# Altium PCB Bed.PcbDoc
Units mil, origin at the board's own origin, x right, y up, seen from the top; angles counter-clockwise.
Board outline 3543.31 x 2677.17 mil, 2 copper layers (Top Layer, Bottom Layer); 62 components, 55 nets, 294 pads, 642 vias.
Unrouted connection lines stored in the file: 31.
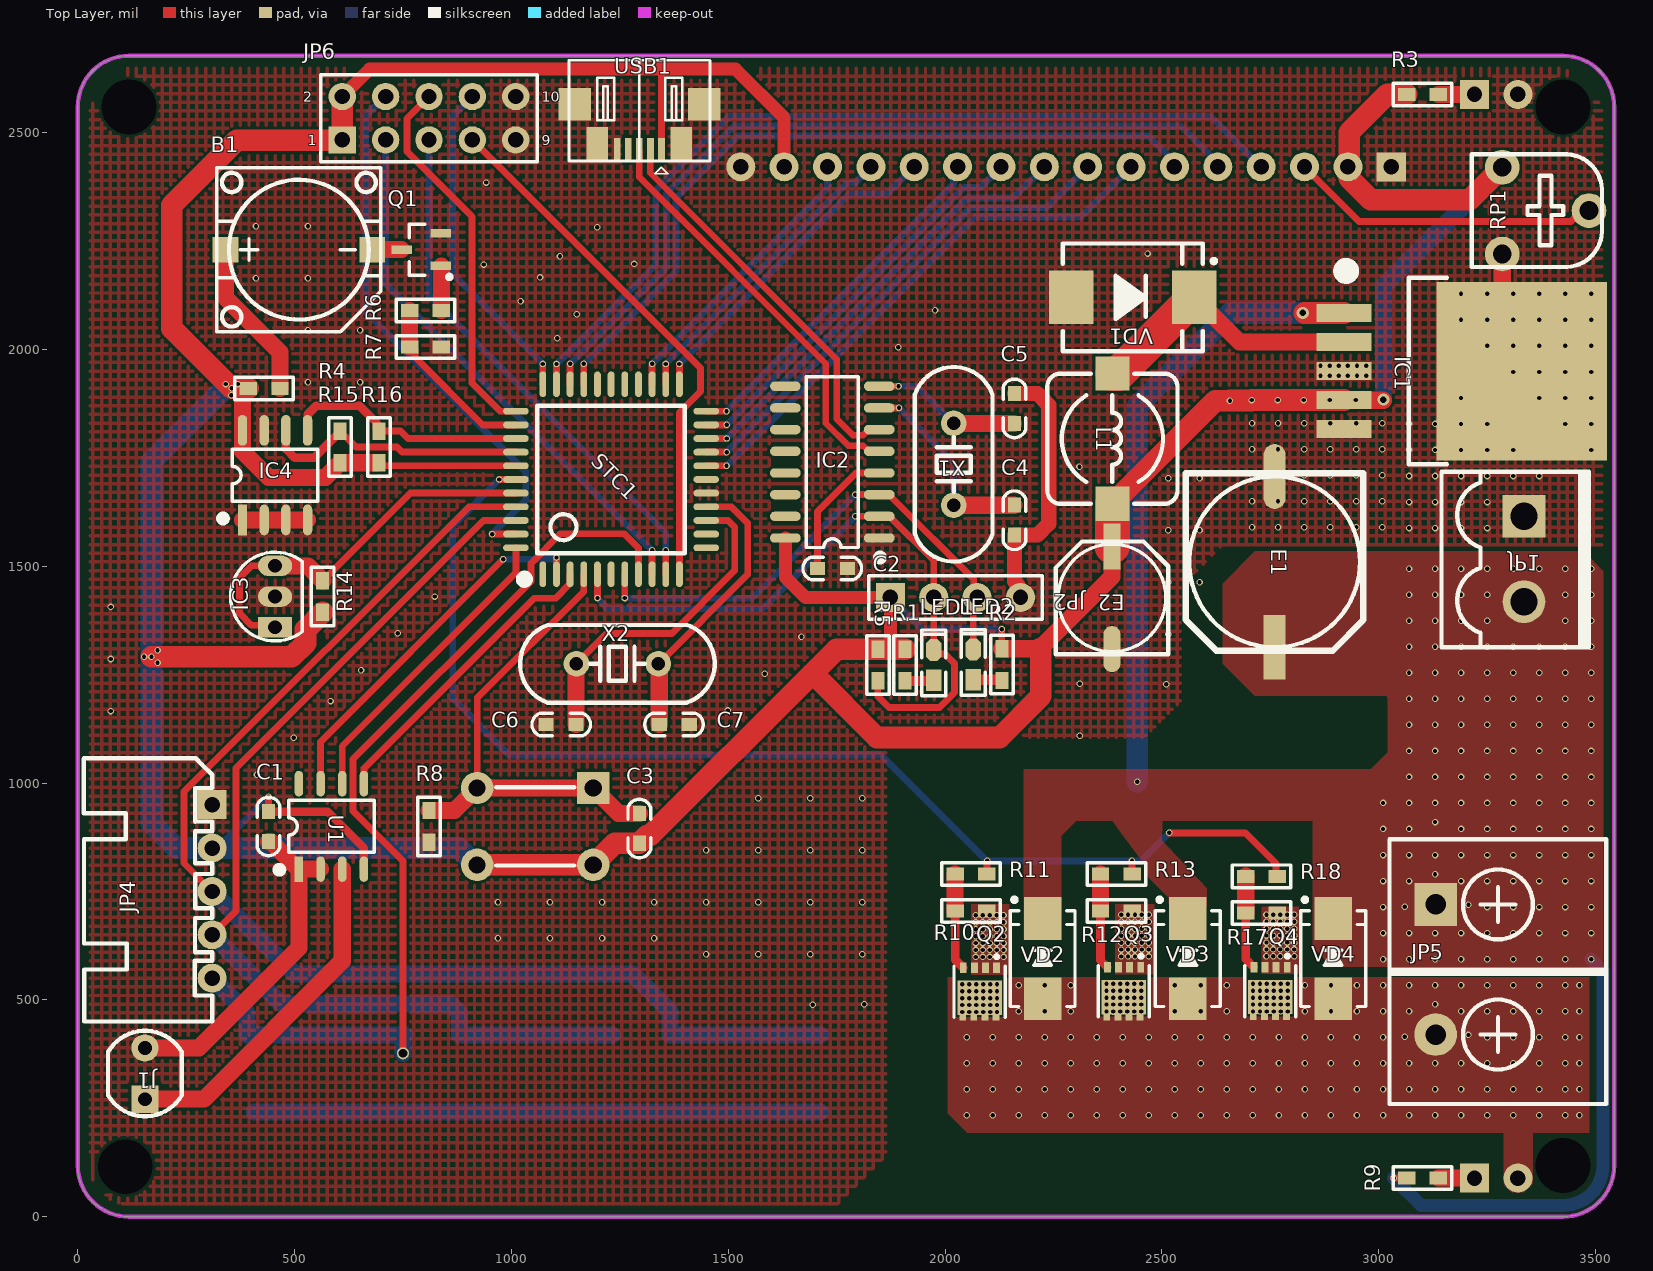
[diagram p0: Top Layer view]
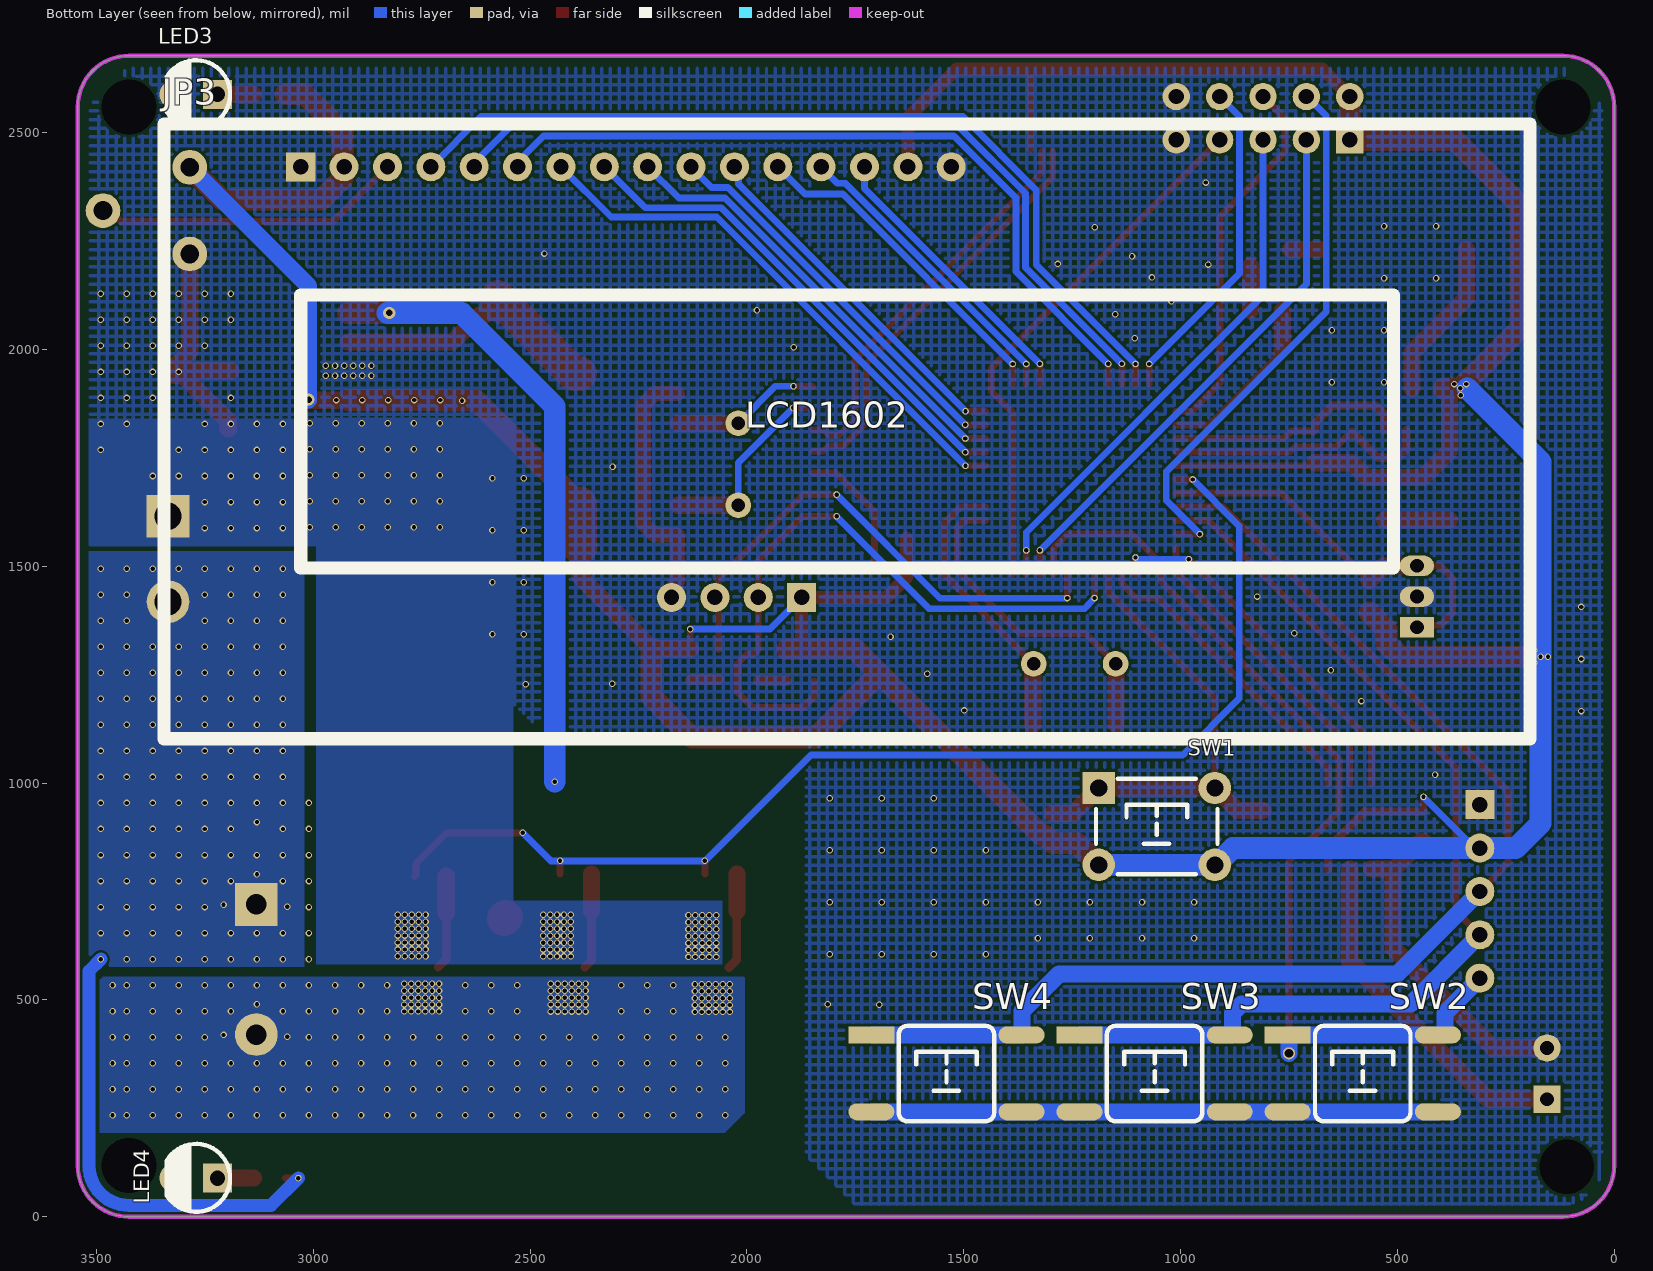
[diagram p1: Bottom Layer view, seen from below]

## Layer stack, top to bottom
Top Solder: solder mask 0.4, Solder Resist, Dk 3.5
Top Layer: signal copper 1.4
Dielectric 1: dielectric 12.6, FR-4, Dk 4.8
Bottom Layer: signal copper 1.4
Bottom Solder: solder mask 0.4, Solder Resist, Dk 3.5

## Board outline
0,118.11 ccw(c118.11,118.11) 118.11,0 3425.2,0 ccw(c3425.2,118.11) 3543.31,118.11 3543.31,2559.06 ccw(c3425.2,2559.06) 3425.2,2677.17 118.11,2677.17 ccw(c118.11,2559.06) 0,2559.06

## Design rules (kind name [scope] priority, off if disabled: settings)
Clearance keepout [InPolygon vs OnLayer('Keep-Out Layer')] p1: gap=10 ignorepadtopadclearanceinfootprint=TRUE except(19.68: Arc-Arc Arc-Track Arc-SMDPad Arc-THPad Arc-Via Arc-Fill Arc-Poly Arc-Region Arc-Text Arc-Hole Track-Track Track-SMDPad Track-THPad Track-Via Track-Fill Track-Poly Track-Region Track-Text Track-Hole)
Clearance [All] p2: gap=6 ignorepadtopadclearanceinfootprint=TRUE
ComponentClearance [All] p1: gap=0 collisioncheckmode=3 verticalgap=0 showdistances=TRUE
DiffPairsRouting [All] p1: maxlimit=10 minlimit=10 mostfreqgap=10 toplayer_minwidth=15 toplayer_maxwidth=15 toplayer_prefwidth=15 bottomlayer_minwidth=15 bottomlayer_maxwidth=15 bottomlayer_prefwidth=15 maxuncoupledlength=500
PolygonConnect VIN [All vs InNet('VIN')] p1: connectstyle=Direct reliefconductorwidth=10 reliefentries=4 polygonreliefangle="90 Angle" airgapwidth=10
PolygonConnect GND [All vs InNet('GND')] p2: connectstyle=Direct reliefconductorwidth=10 reliefentries=4 polygonreliefangle="90 Angle" airgapwidth=10
PolygonConnect 5V [All vs InNet('5V')] p3: connectstyle=Direct reliefconductorwidth=30 reliefentries=4 polygonreliefangle="45 Angle" airgapwidth=30
PolygonConnect H- [All vs InNet('H-')] p4: connectstyle=Direct reliefconductorwidth=10 reliefentries=4 polygonreliefangle="90 Angle" airgapwidth=10
PolygonConnect [All] p5: connectstyle=Relief reliefconductorwidth=30 reliefentries=4 polygonreliefangle="90 Angle" airgapwidth=40
RoutingVias [All] p1: holewidth=28 width=50 viastyle="Through Hole" minholewidth=10 minwidth=10 maxholewidth=28 maxwidth=50
ShortCircuit [All] p1: allowed=TRUE
SolderMaskExpansion [All] p1: expansion=4 istentingtop=FALSE
UnRoutedNet [All] p1: checkbadconnections=TRUE
Width [All] p1: maxlimit=100 minlimit=10 preferedwidth=30
26 further rules are at their usual default settings.

## Classes and differential pairs
differential pair D: +D_P -D_N

## Components (designator, comment, footprint, x,y, rotation, side; value= is the part's Value field where it differs from the comment)
B1 "DC5V" Buzzer 510,2230 r0 top
C1 "104" "C 0603" 440,900 r90 top value=100pF
C2 "104" "C 0603" 1740,1495 r180 top
C3 "10uf" "C 0603" 1295,895 r270 top
C4 "22PF" "C 0603" 2160,1606 r270 top
C5 "22PF" "C 0603" 2160,1864 r90 top
C6 "22pf" "C 0603" 1115,1135 r0 top
C7 "22pf" "C 0603" 1375,1135 r180 top
E1 "680uF/10V" "CM F(10*10.2)" 2760,1510 r270 top
E2 "220uF/10V" "CM D(6.3*5.4)" 2385,1427 r90 top
IC1 "LM2596-5.0V" TO263-5A 2920,1950 r270 top
IC2 "CH340G" SOP16_N 1740,1740 r180 top
IC3 "TL431" TO92A 455,1430 r0 top
IC4 "AT24C02" SOP8_N 455,1710 r90 top
J1 "K电偶" RG5528 155,330 r90 top
JP1 "HDR-1X2" KF2EDGK5.0-2P 3335,1615 r270 top
JP2 "HDR-1X4" HDR-1X4 1874,1428 r0 top
JP3 "HDR-1X16" LCD-1602 3344,1101 r180 bottom
JP4 "HDR-1X5" XH2.54-5P_H 310,950 r270 top
JP5 "HDR-1X2" KF7620-2P 3275,720 r270 top
JP6 "Header 5X2" HDR-5X2 610,2483 r0 top
L1 "33uH/330" CDRH74 2386,1794 r270 top
LED1 "蓝色" "LED 0603B" 1974.26,1271.9 r90 top
LED2 "绿色" "LED 0603G" 2065.26,1272.88 r90 top
LED3 "红色" "LED 3MM-R" 3271,2588 r0 bottom
LED4 "红色" "LED 3MM-R" 3271,89 r0 bottom
Q1 "S8050" SOT23-3N 792,2230 r90 top
Q2 "AON7544" AON7544 2079.82,518.78 r180 top
Q3 "AON7544" AON7544 2412.14,519.88 r180 top
Q4 "AON7544" AON7544 2750,520 r180 top
R1 "2K" "R 0603-HP" 1908,1272 r90 top
R2 "2K" "R 0603-HP" 2131,1273 r90 top
R3 "2K" "R 0603-HP" 3101,2588 r180 top
R4 "10R" "R 0603-HP" 430,1910 r180 top
R5 "10K" "R 0603-HP" 1845,1272 r90 top
R6 "1K" "R 0603-HP" 802,2090 r0 top
R7 "10K" "R 0603-HP" 802,2005 r180 top
R8 "10K" "R 0603-HP" 810,900 r90 top
R9 "10K" "R 0603-HP" 3101,89 r180 top
R10 "100K" "R 0603-HP" 2060,705 r0 top
R11 "100" "R 0603-HP" 2060,790 r180 top
R12 "100K" "R 0603-HP" 2395,705 r0 top
R13 "100" "R 0603-HP" 2395,790 r180 top
R14 "100" "R 0603-HP" 565,1430 r270 top
R15 "10K" "R 0603-HP" 605,1775 r270 top
R16 "10K" "R 0603-HP" 695,1775 r270 top
R17 "100K" "R 0603-HP" 2730,700 r0 top
R18 "100" "R 0603-HP" 2730,785 r180 top
RP1 "10K" RM065 3485,2320 r270 top
STC1 "U?" "LQFP44 10X10_L" 1230,1700 r0 top
SW1 "6x6x5" "TSW DIP-6*6*5" 1055,900 r180 bottom
SW2 "6x6x5" "TSW SMD-6*6*4.3" 580,330 r180 bottom
SW3 "6x6x5" "TSW SMD-6*6*4.3" 1060,330 r180 bottom
SW4 "6x6x5" "TSW SMD-6*6*4.3" 1540,330 r180 bottom
U1 "MAX6675" SOP8_L 585,900 r90 top
USB1 "USB-5P" USB-MICRO_A 1295,2553 r180 top
VD1 "B540C" SMC 2433,2120 r0 top
VD2 "D1" SMB 2225,595 r90 top
VD3 "D1" SMB 2560,595 r90 top
VD4 "D1" SMB 2895,595 r90 top
X1 "12MHz" "XTAL-49S DIP" 2020,1735 r90 top
X2 "11.0592MHz" "XTAL-49S DIP" 1244.49,1275 r180 top

## Footprints (in the part's own frame and the unit in brackets; to place one, negate y for a bottom-side part, rotate by r counter-clockwise, add the part's x,y. Pads: shape width x height; smd on the part's side, far side on the other; paste and mask are expansions set on the pad)
AON7544 [mm] "N-MOS"
  rect 0.4x0.6 smd: 1(-0.992,-1.4) 2(-0.342,-1.4) 3(0.308,-1.4) 4(0.958,-1.4) 5(0.992,1.4) 6(0.341,1.4) 7(-0.309,1.4) 8(-0.959,1.4)
  rect 2.6x2 smd: 9(-0.005,0.35)
  silkscreen extent -1.5,-2.15 1.5,1.5
Buzzer [mm] "蜂鸣器"
  rect 1.5x1.5 smd: 1(-4.3,0) 2(4.3,0)
  silkscreen extent -4.8,-4.8 4.8,4.8
"C 0603" [mil] "无极性贴片电容"
  rect 35x30 smd: 1(-35,0) 2(34,0)
  silkscreen extent -67,-26 67,26, body extent -31,-16 31,16, height 32
CDRH74 [mm] "7.3*7.3*4.5mm（长宽高）"
  rect 2x2 smd: 1(-3.81,0) 2(3.81,0)
  silkscreen extent -3.81,-3.81 3.81,3.81, body extent -3.65,-3.65 3.65,3.65, height 4.5
"CM D(6.3*5.4)" [mm] "贴片电解电容，直径6.3mm，高5.4mm"
  rect 2.7x1 smd: 1(3,0)
  oval 2.7x1 smd: 2(-3,0)
  silkscreen extent -3.3,-3.3 3.3,3.3, body extent -3.5,-3.3 3.5,3.3, height 5.4
"CM F(10*10.2)" [mm] "贴片电解电容，直径10mm，高10.2mm"
  rect 3.8x1.3 smd: 1(5,0)
  oval 3.8x1.3 smd: 2(-5,0)
  silkscreen extent -5.2,-5.2 5.2,5.2, body extent -5.8,-5.15 5.8,5.15, height 10.2
HDR-1X4 [mm] "排针，4脚"
  rect 1.7x1.7 hole 0.9: 1(0,0)
  round 1.7 hole 0.9: 2(2.54,0) 3(5.08,0) 4(7.62,0)
  silkscreen extent -1.27,-1.27 8.89,1.27, body extent -1.27,-1.27 8.89,1.27, height 8.5
HDR-5X2 [mm] "双排排针，5x2脚"
  rect 1.6x1.6 hole 0.9: 1(0,0)
  round 1.6 hole 0.9: 2(0,2.54) 3(2.54,0) 4(2.54,2.54) 5(5.08,0) 6(5.08,2.54) 7(7.62,0) 8(7.62,2.54) 9(10.16,0) 10(10.16,2.54)
  silkscreen extent -1.27,-1.27 11.43,3.81, body extent -1.27,-1.27 11.43,3.81, height 8.5
KF2EDGK5.0-2P [mm] "直列插拔式端子"
  rect 2.5x2.5 hole 1.6: 1(0,0)
  round 2.5 hole 1.6: 2(5,0)
  silkscreen extent -2.62,-4.83 7.67,3.81, body extent -2.54,-4.75 7.54,3.75, height 11.25
KF7620-2P [mm] "15.2*12*12mm(长宽高)"
  rect 2.5x2.5 hole 1.2: 1(0,-3.65)
  round 2.5 hole 1.2: 2(7.62,-3.65)
  silkscreen extent -3.81,-6.35 11.68,6.35, body extent -3.81,-6.2 12.13,6.2, height 12.45
LCD-1602 [mm]
  rect 1.7x1.7 hole 0.9: 1(8.001,33.528)
  round 1.7 hole 0.9: 2(10.541,33.528) 3(13.081,33.528) 4(15.621,33.528) 5(18.161,33.528) 6(20.701,33.528) 7(23.241,33.528) 8(25.781,33.528) 9(28.321,33.528) 10(30.861,33.528) 11(33.401,33.528) 12(35.941,33.528) 13(38.481,33.528) 14(41.021,33.528) 15(43.561,33.528) 16(46.101,33.528)
  silkscreen extent 0,0.03 80,36.03, body extent -0.15,0.42 79.85,35.42, height 9
"LED 3MM-R" [mm] "红色3mm直插LED"
  rect 1.7x1.7 hole 0.9: 1(-1.27,0)
  round 1.7 hole 0.9: 2(1.27,0)
  silkscreen extent -2.01,-2 1.72,1.98, body extent -1.95,-1.95 1.64,1.95, height 5.55
"LED 0603B" [mil] "蓝色0603LED"
  rect 50x35 smd: 1(-35,0.26)
  oct 50x35 smd: 2(35,0.26)
  silkscreen extent -71,-28 81,28, body extent -31,-16 32,16, height 24
"LED 0603G" [mil] "绿色0603LED"
  rect 50x35 smd: 1(-35,0.26)
  oct 50x35 smd: 2(35,0.26)
  silkscreen extent -71,-28 81,28, body extent -31,-16 32,16, height 24
"LQFP44 10X10_L" [mm] "44脚，体宽10x10mm，脚距0.8mm"
  oval 0.4x1.5 smd: 1(-4,-5.551) 2(-3.2,-5.551) 3(-2.4,-5.551) 4(-1.6,-5.551) 5(-0.8,-5.551) 6(0,-5.551) 7(0.8,-5.551) 8(1.6,-5.551) 9(2.4,-5.551) 10(3.2,-5.551) 11(4,-5.551) 23(4,5.578) 24(3.2,5.578) 25(2.4,5.578) 26(1.6,5.578) 27(0.8,5.578) 28(0,5.578) 29(-0.8,5.578) 30(-1.6,5.578) 31(-2.4,5.578) 32(-3.2,5.578) 33(-4,5.578)
  oval 1.5x0.4 smd: 12(5.575,-4) 13(5.575,-3.2) 14(5.575,-2.4) 15(5.575,-1.6) 16(5.575,-0.8) 17(5.575,0) 18(5.575,0.8) 19(5.575,1.6) 20(5.575,2.4) 21(5.575,3.2) 22(5.575,4) 34(-5.575,4) 35(-5.575,3.2) 36(-5.575,2.4) 37(-5.575,1.6) 38(-5.575,0.8) 39(-5.575,0) 40(-5.575,-0.8) 41(-5.575,-1.6) 42(-5.575,-2.4) 43(-5.575,-3.2) 44(-5.575,-4)
  silkscreen extent -5.33,-6.09 4.32,4.32, body extent -6,-6 6,6, height 1.45
"R 0603-HP" [mil] "1/10W高精度贴片电阻"
  rect 40x30 smd: 1(-36.5,0) 2(36.5,0)
  silkscreen extent -68,-26 68,26, body extent -31,-16 32,16, height 16
RG5528 [mm] "光敏电阻 脚距：3mm"
  rect 1.6x1.6 hole 0.8: 1(-1.5,0)
  round 1.6 hole 0.8: 2(1.5,0)
  silkscreen extent -2.5,-2.16 2.5,2.16, body extent -2.5,-2.15 2.5,2.15, height 1.9
RM065 [mil] "蓝白可调电位器"
  round 80 hole 43.31: 1(-100,-200) 2(0,0) 3(100,-200)
  silkscreen extent -130,-270 130,30, body extent -128,-269 128,30, height 299
SMB [mm] "4.7*3.9*2.2mm(长宽高，不包括引脚）"
  rect 2.5x2.2 smd: 1(-2.35,0) 2(2.35,0)
  silkscreen extent -2.8,-1.9 3.57,1.9, body extent -2.63,-1.8 2.67,1.8, height 2.35
SMC [mm] "7.1x5.9*2.3mm（长宽高，不包括引脚）"
  rect 2.6x3.15 smd: 1(-3.6,0) 2(3.6,0)
  silkscreen extent -4.1,-3.15 4.88,3.15, body extent -3.95,-2.9 3.95,2.9, height 2.45
SOP8_L [mm] "5*6*1.8mm（长宽高）"
  rect 1.5x0.5 smd: 1(-2.5,1.905)
  oval 1.5x0.5 smd: 2(-2.5,0.635) 3(-2.5,-0.635) 4(-2.5,-1.905) 5(2.5,-1.905) 6(2.5,-0.635) 7(2.5,0.635) 8(2.5,1.905)
  silkscreen extent -2.69,-2.5 1.52,3.2, body extent -3,-2.5 3,2.5, height 1.9
SOP8_N [mm] "5*6*1.8mm（长宽高）"
  rect 1.8x0.55 smd: 1(-2.625,1.905)
  oval 1.8x0.55 smd: 2(-2.625,0.635) 3(-2.625,-0.635) 4(-2.625,-1.905) 5(2.625,-1.905) 6(2.625,-0.635) 7(2.625,0.635) 8(2.625,1.905)
  silkscreen extent -2.69,-2.5 1.52,3.2, body extent -3,-2.5 3,2.5, height 1.9
SOP16_N [mm] "10.3*6.2*1.8mm（长宽高）"
  oval 1.8x0.55 smd: 1(-2.75,4.445) 2(-2.75,3.175) 3(-2.75,1.905) 4(-2.75,0.635) 5(-2.75,-0.635) 6(-2.75,-1.905) 7(-2.75,-3.175) 8(-2.75,-4.445) 9(2.75,-4.445) 10(2.75,-3.175) 11(2.75,-1.905) 12(2.75,-0.635) 13(2.75,0.635) 14(2.75,1.905) 15(2.75,3.175) 16(2.75,4.445)
  silkscreen extent -2.95,-5 1.52,5.74, body extent -3,-5 3,5, height 1.9
SOT23-3N [mm] "3x1.3x1mm(长宽高)"
  rect 0.5x1.2 smd: 1(-0.95,-1.143) 2(0.95,-1.143) 3(0,1.143)
  silkscreen extent -1.72,-1.78 1.5,0.7, body extent -1.5,-1.2 1.5,1.2, height 1.05
TO92A [mm] "92晶体管"
  rect 2x1.2 hole 0.8: 1(0,-1.8)
  oval 2x1.2 hole 0.8: 2(0,0) 3(0,1.8)
  silkscreen extent -2.6,-2.6 1.6,2.6, body extent -2.3,-2.3 1.3,2.3, height 7.6
TO263-5A [mm] "263，5脚晶体管"
  rect 1.05x3.2 smd: 1(-3.4,0) 2(-1.7,0) 3(0,0) 4(1.7,0) 5(3.4,0)
  rect 10.45x10 smd: 3(0,10.414)
  silkscreen extent -6.24,-0.25 5.46,6.04, body extent -5,-0.01 5,13.32, height 4.5
"TSW DIP-6*6*5" [mm] "6*6*5mm"
  rect 1.9x1.9 hole 1: 1(-3.4,2.25)
  round 1.9 hole 1: 2(-3.4,-2.25) 3(3.4,-2.25) 4(3.4,2.25)
  silkscreen extent -3.56,-2.79 3.56,2.79, body extent -4.11,-3 4.11,3, height 4.95
"TSW SMD-6*6*4.3" [mm] "6*6*4.3mm"
  rect 2.7x1 smd: 1(-4.4,2.261)
  oval 2.7x1 smd: 2(-4.4,-2.239) 3(4.4,-2.239) 4(4.4,2.261)
  silkscreen extent -2.79,-2.79 2.79,2.79, body extent -4.5,-3 4.5,3, height 4.25
USB-MICRO_A [mm] "micro型USB ，5.9*8.2*2.5mm"
  rect 0.4x1.4 smd: 1(-1.296,2.355) 2(-0.648,2.355) 3(0,2.355) 4(0.648,2.355) 5(1.295,2.355)
  rect 1.9x1.9 smd: 5(-3.81,-0.312) 5(3.784,-0.312)
  rect 1.25x2 smd: 5(-2.464,2.025) 5(2.464,2.025)
  silkscreen extent -4.14,-2.89 4.11,3.75, body extent -3.98,-2.77 3.98,2.65, height 2.69
XH2.54-5P_H [mm] "接插件，5P"
  rect 1.7x1.7 hole 0.9: 1(0,0)
  round 1.7 hole 0.9: 2(2.54,0) 3(5.08,0) 4(7.62,0) 5(10.16,0)
  silkscreen extent -2.72,-7.53 12.7,0, body extent -2.5,-7.35 12.66,0.35, height 5.73
"XTAL-49S DIP" [mm]
  round 1.5 hole 0.8: 1(-2.4,0) 2(2.4,0)
  silkscreen extent -5.7,-2.28 5.7,2.28, body extent -5.68,-2.35 5.68,2.3, height 3.5

## Part data
B1: library part BEEP, "蜂鸣器", BOM名称=蜂鸣器, 学习资源=www.ooocke.com, 版权归属=源创客
C1: library part Cap, "Capacitor", LatestRevisionDate=17-Jul-2002, LatestRevisionNote="Re-released for DXP Platform.", PackageReference=RAD-0.3, Published=8-Jun-2000, Publisher="Altium Limited"
C2 C3 C4 C5 C6 C7: library part C, "无极性贴片电容", BOM名称=无极性贴片电容, 学习资源=www.ooocke.com, 版权归属=源创客
E1 E2: library part C-CM, "贴片电解电容", BOM名称=贴片电解电容, 学习资源=www.ooocke.com, 版权归属=源创客
IC1: library part LM2596, "DC降压芯片", BOM名称=DC稳压芯片, 学习资源=www.ooocke.com, 版权归属=源创客
IC2: "串口转USB", BOM名称=串口转USB, 学习资源=www.ooocke.com, 版权归属=源创客
IC3: library part TL431-ID, "可调基准稳压芯片", BOM名称=可调基准稳压芯片, 学习资源=www.ooocke.com, 版权归属=源创客
IC4: library part 24Cxx, "外置EEPROM", BOM名称=外置EEPROM, 学习资源=www.ooocke.com, 版权归属=源创客
J1: library part CON2, "Connector"
JP1 JP5: library part "Header 2", "2P接插件", BOM名称=2P接插件, 学习资源=www.ooocke.com, 版权归属=源创客
JP2: library part "Header 4", "4P接插件", BOM名称=4P接插件, 学习资源=www.ooocke.com, 版权归属=源创客
JP3: library part "Header 16", "16P接插件", BOM名称=16P接插件, 学习资源=www.ooocke.com, 版权归属=源创客
JP4: library part "Header 5", "5P接插件", BOM名称=5P接插件, 学习资源=www.ooocke.com, 版权归属=源创客
JP6: "5*2P接插件", BOM名称=5*2P接插件, 学习资源=www.ooocke.com, 版权归属=源创客
L1: library part L-CDRH, "功率屏蔽电感", BOM名称=功率屏蔽电感, 学习资源=www.ooocke.com, 版权归属=源创客
LED1 LED2 LED3 LED4: library part LED-SMD, "贴片LED", BOM名称=贴片LED, 学习资源=www.ooocke.com, 版权归属=源创客
Q1: library part 8050-SMD, "高频放大-NPN型", BOM名称=高频放大-NPN型, 学习资源=www.ooocke.com, 属性="40V 1.5A 1W 100MHZ", 版权归属=源创客
Q2 Q3 Q4: "n-mos"
R1 R2 R3 R4 R5 R6 R7 R8 R9 R10 R11 R12 R13 R14 R15 R16 R17 R18: library part R, "贴片电阻", BOM名称=贴片电阻, 学习资源=www.ooocke.com, 版权归属=源创客
RP1: library part RP-ID, "插件单联电位器", BOM名称=插件电位器, 学习资源=www.ooocke.com, 版权归属=源创客
SW1: library part "TSW DIP-6x6", "直插6x6轻触开关", BOM名称=直插6x6轻触开关, 学习资源=www.ooocke.com, 版权归属=源创客
SW2 SW3 SW4: library part "TSW SMD-6x6", "贴片6x6轻触开关", BOM名称=贴片6x6轻触开关, 学习资源=www.ooocke.com, 版权归属=源创客
U1: "K电偶转换"
USB1: "微型USB母座", BOM名称=微型USB母座, 学习资源=www.ooocke.com, 版权归属=源创客
VD1: library part SS34, "肖特基二极管", BOM名称=肖特基二极管, 学习资源=www.ooocke.com, 属性=40V/3A, 版权归属=源创客
VD2 VD3 VD4: library part M7, "整流二极管", BOM名称=整流二极管, 学习资源=www.ooocke.com, 版权归属=源创客
X1 X2: library part XTAL-2, "2脚晶振", BOM名称=2脚晶振, 学习资源=www.ooocke.com, 版权归属=源创客

## Free pads (board coordinates)
  round 118.11 hole 125.98 unplated: 15(110,115) 15(118.11,2559.06) 15(3425.2,118.11) 15(3425.2,2559.06)
  round 15 hole 10 mask+4: 16(440,967.98) 16(955.57,1574.02) 16(971.99,1699.98) 16(981,1516) 16(1072.52,1966.38) 16(1104,1520) 16(1104.02,1966.38) 16(1135.51,1966.66) 16(1167.01,1966.56) 16(1198.5,1426.5) 16(1261.5,1426.5) 16(1324.49,1536.43) 16(1324.49,1966.56) 16(1355.98,1536.43) 16(1355.98,1966.46) 16(1387.48,1966.46) 16(1495.96,1857.48) 16(1496.19,1731.5) 16(1496.4,1762.99) 16(1496.4,1794.49) 16(1496.47,1825.98) 16(1793.31,1615) 16(1793.31,1665) 16(1892.84,1915) 16(1893.69,1865) 16(2131,1354.92)
  round 28 hole 20 mask+4: 16(750,376.6)
  round 15 hole 10: 17(3034.44,88.99)

## Via types
v1: diameter 15, hole 10, Top Layer to Bottom Layer, tented both sides, 640 vias
v2: diameter 28, hole 15, Top Layer to Bottom Layer, tented both sides, 2 vias

## Nets (pads, with @x,y where several pads share a name; then routed paths per layer and width w, separated by ;. In a path a pad name is that pad's centre, name@x,y a point inside that pad or via, vN(x,y) a via of type N, cw(c..) or ccw(c..) an arc to the next point about the centre after c; other vN are vias at no path point)
5V: C1.2 C3.2 E2.1 IC1.4 IC2.16 IC4.8 JP2.1 JP3.2 JP3.15 JP4.2 JP6.1 JP6.2 L1.2 pad.16@440,967.98 pad.16@2131,1354.92 R1.2 R2.2 R3.2 R4.2 R5.2 R14.2 R15.2 R16.2 RP1.1 STC1.38 SW1.2 SW1.3 U1.4 USB1.1 | length 11660.4
  Top Layer w15.75: C1.2 pad.16@440,967.98 ; R16.2@690.31,1738.5 697.32,1731.5 STC1.38 ; R2.2 pad.16@2131,1354.92
  Top Layer w16: 1345.43,2646 1346.01,2645.43 USB1.1
  Top Layer w19.68: C1.2 576,934 660,850 U1.4
  Top Layer w30: JP6.2 673,2646 1345.43,2646 1517,2646 1629,2534 JP3.15 ; IC2.16 1631.73,1474.27 1678,1428 JP2.1 1874,1311 1876.5,1308.5
  Top Layer w39.37: R4.2 393.5,1905.63 380,1892.13 IC4.8 380,1765 440,1705 571.5,1705 R15.2 R16.2@690.31,1738.5
  Top Layer w40: R2.2 2218.5,1309.5 2385,1476 E2.1 ; IC1.4 v1(2947.5,1883.07) v2@3010.86,1883.07
  Top Layer w50: v1(170,1291.16) 493.86,1291.16 525.37,1322.67 525.37,1353.87 R14.2 ; R4.2 v1(355.31,1910) 217,2048.31 217,2332 367,2482 610,2482 JP6.1 JP6.2 ; SW1.3 SW1.2 1238.44,861 C3.2 1313.31,879.31 1320.66,879.31 1694.49,1253.15 ; R1.2 1876.5,1308.5 R5.2 1749.84,1308.5 1694.49,1253.15 ; 2218.5,1309.5 2221,1307 2221,1200 2126,1105 1842.64,1105 1694.49,1253.15 ; L1.2 2623.69,1881.69 v1(2657.01,1881.69) ; v1@2657.31,1881.99 2706.42,1881.99 v1(2707.5,1883.07) v1(2767.5,1883.07) v1(2827.5,1883.07) v1(2887.5,1883.07) IC1.4 ; R3.2 3020,2588 2932.24,2500.24 2932.24,2424.24 JP3.2 2932.24,2417.76 2932.24,2394.51 2981.75,2345 3210,2345 RP1.1
  Top Layer w80: E2.1 2386,1546.11 L1.2
  Bottom Layer w15.75: JP4.2@322.02,850 pad.16@440,967.98 ; JP2.1 1947.08,1354.92 pad.16@2131,1354.92
  Bottom Layer w40: v2@3011,1883.21 3011,2146 RP1.1
  Bottom Layer w50: 339,1910 170,1741 v1(170,1291.16) 170,907 227,850 JP4.2 322.02,850 879.45,850 918.03,811.42 SW1.3 SW1.2
  other v1: 184,1277 153,1291 184,1306 354,1894 341,1920 369,1920
  other v2: 3011,1884
C-RXD: IC2.3 JP2.3 LED2.2 pad.16@1261.5,1426.5 pad.16@1793.31,1665 STC1.7 | length 1208.8
  Top Layer w15.75: STC1.7 1261.5,1426.5 pad.16@1262,1426 ; pad.16@1793.31,1665 1871.28,1665 1875.83,1660.45 1875.83,1660.17 2066.38,1469.62 2066.38,1435.62 JP2.3 2065,1419 LED2.2
  Bottom Layer w15.75: pad.16@1262,1426 1554.31,1426 pad.16@1793.31,1665
C-TXD: IC2.2 JP2.2 LED1.2 pad.16@1198.5,1426.5 pad.16@1793.31,1615 R5.1 STC1.5 | length 1543
  Top Layer w15.75: pad.16@1198.5,1426.5 STC1.5 ; pad.16@1793.31,1615 1872,1615 1974,1513 JP2.2 LED1.2 1983.28,1297.62 2000.38,1297.62 2022,1276 2022,1209 1987,1174 1871,1174 1845,1200 R5.1
  Bottom Layer w15.75: pad.16@1198.5,1426.5 1222,1402 1580.31,1402 pad.16@1793.31,1615
CS: STC1.44 U1.6 | length 710
  Top Layer w15.75: U1.6 610,1085 1010.53,1485.53 STC1.44
D_N: IC2.6 USB1.2 | length 914.4
  Top Layer w15: USB1.2@1320.51,2457.28 1320.26,2457.03 1320.26,2407.22 1750,1977.48 1750,1840 1787.5,1802.5 1811.55,1802.5 1824.05,1815 IC2.6
D_P: IC2.5 USB1.3 | length 955.8
  Top Layer w15: USB1.3@1295.01,2457.28 1295.26,2457.03 1295.26,2396.86 1725,1967.12 1725,1829.64 1777.14,1777.5 1811.55,1777.5 1824.05,1765 IC2.5
GND: C1.1 C2.1 C4.2 C5.2 C6.1 C7.1 E1.2 E2.2 IC1.3 IC1.5 IC2.1 IC3.2 IC4.1 IC4.2 IC4.3 IC4.4 IC4.7 J1.2 JP1.1 JP2.4 JP3.1 JP3.16 JP4.1 JP6.9 JP6.10 LED3.2 Q1.2 Q2.1 Q2.2 Q2.3 Q3.1 Q3.2 Q3.3 Q4.1 Q4.2 Q4.3 R7.1 R8.1 R10.2 R12.2 R17.2 RP1.3 STC1.16 SW2.2 SW2.3 SW3.2 SW3.3 SW4.2 SW4.3 U1.1 U1.2 USB1.5 VD1.1 | length 3452.2
  Top Layer w35: C5.2 2213,1898 2239,1872 2239,1598 2213,1572 C4.2 2160,1464.47 2167.89,1456.58 2167.89,1434.11 JP2.4
  Top Layer w39.37: J1.2 279.06,389.06 510,620 U1.1 U1.2 ; IC4.1 IC4.2 IC4.3 IC4.4 ; C1.1 445,865 U1.1@509.21,800.79 ; IC1.3@3190,1950 3330,1950 3320,1940 3302,1940 3196.14,1834.14 IC1.3@3196.14,1816.14 ; RP1.3 3285,1995 IC1.3@3320,1960
  Bottom Layer w39.37: SW2.3 SW2.2 SW3.3 SW3.2 SW4.3 SW4.2
  other v1: 1695,489 1814,490 2071,599 2087,599 2103,599 2119,599 2135,599 2406,600 2422,600 2438,600 2454,600 2470,600 2741.18,600.22 2757.18,600.22 2773.18,600.22 2789.18,600.22 2805.18,600.22 1449,605 1569,605 1689,605 1809,605 2071,615 2087,615 2103,615 2119,615 2135,615 2406,616 2422,616 2438,616 2454,616 2470,616 2741.18,616.22 2757.18,616.22 2773.18,616.22 2789.18,616.22 2805.18,616.22 2071,631 2087,631 2103,631 2119,631 2135,631 2406,632 2422,632 2438,632 2454,632 2470,632 2741.18,632.22 2757.18,632.22 2773.18,632.22 2789.18,632.22 2805.18,632.22 969,642 1089,642 1209,642 1329,642 2071,647 2087,647 2103,647 2119,647 2135,647 2406,648 2422,648 2438,648 2454,648 2470,648 2741.18,648.22 2757.18,648.22 2773.18,648.22 2789.18,648.22 2805.18,648.22 2071,663 2087,663 2103,663 2119,663 2135,663 2406,664 2422,664 2438,664 2454,664 2470,664 2741.18,664.22 2757.18,664.22 2773.18,664.22 2789.18,664.22 2805.18,664.22 2071,679 2087,679 2103,679 2119,679 2135,679 2406,680 2422,680 2438,680 2454,680 2470,680 2741.18,680.22 2757.18,680.22 2773.18,680.22 2789.18,680.22 2805.18,680.22 2071,695 2087,695 2103,695 2119,695 2135,695 2406,696 2422,696 2438,696 2454,696 2470,696 2741.18,696.22 2757.18,696.22 2773.18,696.22 2789.18,696.22 2805.18,696.22 969,725 1089,725 1209,725 1329,725 1449,725 1569,725 1689,725 1809,725 1449,845 1569,845 1689,845 1809,845 1569,965 1689,965 1809,965 413.29,1019.29 498.15,1104.15 2311,1109 76,1166 1499.29,1167.29 583,1189 2510,1228 2311,1229 1584.15,1252.15 653.29,1260.29 76,1286 1669,1337 2515,1343 2587,1343 738.15,1345.15 76,1406 823,1430 2515,1463 2587,1463 2515,1583 2587,1583 3070,1588 3130,1588 3190,1588 3250,1588 2708,1590 2768,1590 2828,1590 2888,1590 2948,1590 3008,1590 3070,1648 3130,1648 3190,1648 3250,1648 2708,1650 2768,1650 2828,1650 2888,1650 2948,1650 3008,1650 2515,1703 2587,1703 3070,1708 3130,1708 3190,1708 3250,1708 3310,1708 3370,1708 2708,1710 2768,1710 2828,1710 2888,1710 2948,1710 3008,1710 2310,1729 3070,1768 3130,1768 3190,1768 3250,1768 3310,1768 3490,1768 2708,1770 2768,1770 2828,1770 2888,1770 2948,1770 3008,1770 3070,1828 3130,1828 3190,1828 3250,1828 3430,1828 3490,1828 2708,1830 2768,1830 2828,1830 2888,1830 2948,1830 3008,1830 3190,1888 3370,1888 3430,1888 3490,1888 531,1924 651,1924 2866,1939 2887,1939 2908,1939 2929,1939 2950,1939 2971,1939 3310,1948 3370,1948 3430,1948 3490,1948 2866,1962 2887,1962 2908,1962 2929,1962 2950,1962 2971,1962 1892.15,2005.15 3250,2008 3310,2008 3370,2008 3430,2008 3490,2008 1106,2026 531,2044 651,2044 3190,2068 3250,2068 3310,2068 3370,2068 3430,2068 3490,2068 1151,2081 1977,2090 1021.15,2110.85 3190,2128 3250,2128 3310,2128 3370,2128 3430,2128 3490,2128 411,2164 531,2164 1066.15,2165.85 936.29,2195.71 1283,2197 1112,2215 2467,2221 1198.15,2281.85 411,2284 531,2284 942.29,2384.71
H-: JP5.2 LED4.2 Q2.5 Q2.6 Q2.7 Q2.8 Q3.5 Q3.6 Q3.7 Q3.8 Q4.5 Q4.6 Q4.7 Q4.8 VD2.1 VD3.1 VD4.1
  other v1: 2050,234 2110,234 2170,234 2230,234 2290,234 2350,234 2410,234 2470,234 2530,234 2590,234 2650,234 2710,234 2770,234 2830,234 2890,234 2950,234 3010,234 3070,234 3130,234 3190,234 3250,234 3310,234 3370,234 3430,234 3463,234 2050,294 2110,294 2170,294 2230,294 2290,294 2350,294 2410,294 2470,294 2530,294 2590,294 2650,294 2710,294 2770,294 2830,294 2890,294 2950,294 3010,294 3070,294 3130,294 3190,294 3250,294 3310,294 3370,294 3430,294 3463,294 2050,354 2110,354 2170,354 2230,354 2290,354 2350,354 2410,354 2470,354 2530,354 2590,354 2650,354 2710,354 2770,354 2830,354 2890,354 2950,354 3010,354 3070,354 3130,354 3190,354 3250,354 3310,354 3370,354 3430,354 3463,354 2050,414 2110,414 2170,414 2230,414 2290,414 2350,414 2410,414 2470,414 2530,414 2590,414 2650,414 2710,414 2770,414 2830,414 2890,414 2950,414 3010,414 3250,414 3310,414 3370,414 3430,414 3463,414 3060,415 3207,419 2040,472 2056,472 2072,472 2088,472 2104,472 2120,472 2372.32,473.1 2388.32,473.1 2404.32,473.1 2420.32,473.1 2436.32,473.1 2452.32,473.1 2710.18,473.22 2726.18,473.22 2742.18,473.22 2758.18,473.22 2774.18,473.22 2790.18,473.22 2170,474 2230,474 2290,474 2530,474 2590,474 2650,474 2830,474 2890,474 2950,474 3010,474 3070,474 3190,474 3250,474 3310,474 3370,474 3430,474 3463,474 2040,488 2056,488 2072,488 2088,488 2104,488 2120,488 2372.32,489.1 2388.32,489.1 2404.32,489.1 2420.32,489.1 2436.32,489.1 2452.32,489.1 2710.18,489.22 2726.18,489.22 2742.18,489.22 2758.18,489.22 2774.18,489.22 2790.18,489.22 3130,490 2040,504 2056,504 2072,504 2088,504 2104,504 2120,504 2372.32,505.1 2388.32,505.1 2404.32,505.1 2420.32,505.1 2436.32,505.1 2452.32,505.1 2710.18,505.22 2726.18,505.22 2742.18,505.22 2758.18,505.22 2774.18,505.22 2790.18,505.22 2040,520 2056,520 2072,520 2088,520 2104,520 2120,520 2372.32,521.1 2388.32,521.1 2404.32,521.1 2420.32,521.1 2436.32,521.1 2452.32,521.1 2710.18,521.22 2726.18,521.22 2742.18,521.22 2758.18,521.22 2774.18,521.22 2790.18,521.22 2170,534 2230,534 2290,534 2530,534 2590,534 2650,534 2830,534 2890,534 2950,534 3010,534 3070,534 3130,534 3190,534 3250,534 3310,534 3370,534 3430,534 3463,534 2040,536 2056,536 2072,536 2088,536 2104,536 2120,536 2372.32,537.1 2388.32,537.1 2404.32,537.1 2420.32,537.1 2436.32,537.1 2452.32,537.1 2710.18,537.22 2726.18,537.22 2742.18,537.22 2758.18,537.22 2774.18,537.22 2790.18,537.22
MISO: pad.16@981,1516 pad.16@1104,1520 STC1.2 U1.7 | length 856.2
  Top Layer w15.75: U1.7@560.75,999.18 U1.7 560,1095 pad.16@981,1516 ; STC1.2 pad.16@1104,1520
  Bottom Layer w15.75: pad.16@981,1516 1100,1516 pad.16@1104,1520
NetB1_1: B1.1 R4.1 | length 372.1
  Top Layer w39.37: B1.1 340.71,2119.29 466.5,1993.5 R4.1
NetB1_2: B1.2 Q1.3 | length 67.7
  Top Layer w39.37: B1.2 Q1.3
NetC2_2: C2.2 IC2.4 | length 310.1
  Top Layer w15.75: C2.2 1706,1626 1795,1715 IC2.4
NetC4_1: C4.1 IC2.7 pad.16@1893.69,1865 X1.1 | length 461.7
  Top Layer w15.75: IC2.7 pad.16@1893.69,1865
  Top Layer w39.37: X1.1 C4.1@2159.49,1640.51
  Bottom Layer w15.75: pad.16@1893.69,1865 2020,1738.69 X1.1
NetC5_1: C5.1 IC2.8 pad.16@1892.84,1915 X1.2 | length 344.7
  Top Layer w15.75: IC2.8 pad.16@1892.84,1915
  Top Layer w39.37: X1.2 C5.1@2157.51,1829.49
  Bottom Layer w15.75: pad.16@1892.84,1915 1934.49,1915 X1.2
NetC6_2: C6.2 STC1.14 X2.2 | length 766.9
  Top Layer w15.75: X2.2 1150,1275.88 1219.12,1345 1370,1345 1515,1490 1515,1590 1499.49,1605.51 STC1.14
  Top Layer w39.37: C6.2 1149,1274 X2.2
NetC7_2: C7.2 STC1.15 X2.1 | length 662
  Top Layer w15.75: X2.1 1545,1481.02 1545,1600 1507.99,1637.01 STC1.15
  Top Layer w39.37: X2.1 1341,1272.98 C7.2
NetIC1_2: IC1.2 L1.1 VD1.2 | length 646.5
  Top Layer w40: VD1.2@2586.73,2109.17 2586.73,2097.17 2605.91,2077.99 2617.91,2077.99 2678.98,2016.93 IC1.2
  Top Layer w80: L1.1 2398.73,1944 2552.72,2097.99 2563.55,2097.99 2574.73,2109.17 VD1.2
NetJ1_1: J1.1 U1.3 | length 798.7
  Top Layer w39.37: J1.1 290.94,270.94 610,590 U1.3
NetJP3_3: JP3.3 RP1.2 | length 718.5
  Top Layer w15.75: JP3.3 2955,2295 3443.65,2295 3468.65,2320 RP1.2
NetLED1_1: LED1.1 R1.1 | length 66.6
  Top Layer w23.62: R1.1 1972.59,1235.5 LED1.1
NetLED2_1: LED2.1 R2.1 | length 66.6
  Top Layer w23.62: LED2.1 2129.61,1237.89 R2.1
NetLED3_1: LED3.1 R3.1 | length 83.5
  Top Layer w39.37: R3.1 LED3.1
NetLED4_1: LED4.1 R9.1 | length 83.5
  Top Layer w39.37: R9.1 LED4.1
NetQ1_1: Q1.1 R6.2 | length 102.6
  Top Layer w39.37: R6.2 Q1.1@838.5,2192.6
NetQ2_4: Q2.4 R10.1 R11.2 | length 223.8
  Top Layer w19.68: R10.1 2023.5,592.49 Q2.4
  Top Layer w39.37: R10.1 R11.2
NetQ3_4: Q3.4 R12.1 R13.2 | length 221.6
  Top Layer w19.68: R12.1 2358.5,590.91 Q3.4
  Top Layer w39.37: R12.1 R13.2
NetQ4_4: Q4.4 R17.1 R18.2 | length 217.7
  Top Layer w19.68: R17.1 2693.5,593.89 2710.3,577.09 Q4.4
  Top Layer w39.37: R17.1 R18.2
P0.0: IC4.6 R15.1 STC1.37 | length 628.6
  Top Layer w15.75: R15.1 605,1806.5 612.13,1799.37 617.13,1799.37 641.5,1775 736,1775 748.01,1762.99 STC1.37
  Top Layer w19.68: IC4.6 480,1770 500,1750 545,1750 596.34,1801.34 599.84,1801.34 R15.1@605,1806.5
P0.1: IC4.5 R16.1 STC1.36 | length 564.7
  Top Layer w15.75: R16.1 744.5,1811.5 761.51,1794.49 STC1.36
  Top Layer w19.68: IC4.5 530.38,1813.72 530.38,1850.38 550,1870 650,1870 689.84,1830.16 689.84,1816.66 R16.1
P0.2: R6.1 R7.2 STC1.35 | length 413.3
  Top Layer w15.75: R7.2 770.5,2005 777.63,1997.87 777.63,1982.37 934.02,1825.98 STC1.35
  Top Layer w39.37: R7.2 R6.1
P0.3: JP6.6 STC1.34 | length 872.5
  Top Layer w15.75: JP6.6 759,2532 759,2456 909,2306 909,1922 973.52,1857.48 STC1.34
P0.4: JP6.8 pad.16@1072.52,1966.38 STC1.33 | length 768.8
  Top Layer w15.75: STC1.33 pad.16@1072.52,1966.38
  Bottom Layer w15.75: JP6.8 864,2537 864,2174.9 pad.16@1072.52,1966.38
P0.5: JP3.4 pad.16@1104.02,1966.38 STC1.32 | length 2057.3
  Top Layer w15.75: STC1.32 pad.16@1104.02,1966.38
  Bottom Layer w15.75: pad.16@1104.02,1966.38 1333,2195.37 1333,2368 1502,2537 2613,2537 JP3.4
P0.6: JP3.5 pad.16@1135.51,1966.66 STC1.31 | length 1912
  Top Layer w15.75: STC1.31 pad.16@1135.51,1966.66
  Bottom Layer w15.75: pad.16@1135.51,1966.66 1358,2189.14 1358,2360 1513,2515 2544,2515 2629,2430 JP3.5
P0.7: JP3.6 pad.16@1167.01,1966.56 STC1.30 | length 1761.7
  Top Layer w15.75: STC1.30 pad.16@1167.01,1966.56
  Bottom Layer w15.75: pad.16@1167.01,1966.56 1380,2179.56 1380,2349 1523,2492 2469,2492 2529,2432 JP3.6
P1.0: IC3.1 IC3.3 R14.1 STC1.40 | length 926.5
  Top Layer w15.75: IC3.1 450.37,1363.77 401.23,1363.77 373,1392 373,1473 400.87,1500.87 IC3.3 ; R14.1 565,1471.5 572.13,1478.63 577.13,1478.63 767,1668.5 STC1.40
  Top Layer w39.37: IC3.3 530.63,1500.87 R14.1
P1.1: JP4.3 STC1.41 SW4.1 SW4.4 | length 2867.5
  Top Layer w15.75: JP4.3 245,815 245,980 902.01,1637.01 STC1.41
  Bottom Layer w39.37: JP4.3 500,560 1280,560 1365.32,474.68 1365.32,419 SW4.1
P1.2: JP4.4 STC1.42 SW3.1 SW3.4 | length 2338.4
  Top Layer w15.75: JP4.4 365,705 365,1035 935.51,1605.51 STC1.42
  Bottom Layer w39.37: JP4.4 470,490 860,490 880,470 880,419 SW3.4 SW3.1
P1.3: JP6.4 pad.16@955.57,1574.02 STC1.43 | length 1268.5
  Top Layer w15.75: pad.16@955.57,1574.02 STC1.43
  Bottom Layer w15.75: JP6.4 709,2583 664,2538 664,2087 1033,1718 1033,1651.45 pad.16@955.57,1574.02
P2.0: JP3.7 pad.16@1496.19,1731.5 STC1.18 | length 1265.1
  Top Layer w15.75: STC1.18 pad.16@1496.19,1731.5
  Bottom Layer w15.75: pad.16@1496.19,1731.5 2069.69,2305 2313,2305 JP3.7
P2.1: JP3.8 pad.16@1496.4,1762.99 STC1.19 | length 1152.1
  Top Layer w15.75: STC1.19 pad.16@1496.4,1762.99
  Bottom Layer w15.75: pad.16@1496.4,1762.99 2060.15,2326.75 2234.75,2326.75 JP3.8
P2.2: JP3.9 pad.16@1496.4,1794.49 STC1.20 | length 1039
  Top Layer w15.75: STC1.20 pad.16@1496.4,1794.49
  Bottom Layer w15.75: pad.16@1496.4,1794.49 2050.91,2349 2157,2349 JP3.9
P2.3: JP3.10 pad.16@1496.47,1825.98 STC1.21 | length 926
  Top Layer w15.75: STC1.21 pad.16@1496.47,1825.98
  Bottom Layer w15.75: pad.16@1496.47,1825.98 2044.15,2373.66 2081.66,2373.66 JP3.10
P2.4: JP3.11 pad.16@1495.96,1857.48 STC1.22 | length 830.8
  Top Layer w15.75: STC1.22 pad.16@1495.96,1857.48
  Bottom Layer w15.75: pad.16@1495.96,1857.48 2019.62,2381.14 2019.62,2411.62 JP3.11
P2.5: JP3.12 pad.16@1387.48,1966.46 STC1.23 | length 776.7
  Top Layer w15.75: STC1.23 pad.16@1387.48,1966.46
  Bottom Layer w15.75: pad.16@1387.48,1966.46 1779.02,2358 1866,2358 JP3.12
P2.6: JP3.13 pad.16@1355.98,1966.46 STC1.24 | length 708.2
  Top Layer w15.75: STC1.24 pad.16@1355.98,1966.46
  Bottom Layer w15.75: pad.16@1355.98,1966.46 1772.53,2383 1791,2383 JP3.13
P2.7: JP3.14 pad.16@1324.49,1966.56 STC1.25 | length 669
  Top Layer w15.75: STC1.25 pad.16@1324.49,1966.56
  Bottom Layer w15.75: pad.16@1324.49,1966.56 1729,2371.07 JP3.14
P3.2: JP4.5 pad.16@750,376.6 STC1.8 SW2.1 SW2.4 | length 2267.1
  Top Layer w15.75: pad.16@750,376.6 750,820 635,935 635,1055 1045,1465 1045,1506.35 1113.65,1575 1260,1575 1292.99,1542.01 STC1.8
  Bottom Layer w39.37: JP4.5 390.85,469.15 390.85,419 SW2.4 SW2.1@750,419 ; pad.16@750,376.6 SW2.1@750,419 ; SW2.1 SW2.1@750,419
P3.3: JP6.3 pad.16@1324.49,1536.43 STC1.9 | length 1256.1
  Top Layer w15.75: STC1.9 pad.16@1324.49,1536.43
  Bottom Layer w15.75: JP6.3 710,2150.91 pad.16@1324.49,1536.43
P3.4: JP6.5 pad.16@1355.98,1536.43 STC1.10 | length 1227.7
  Top Layer w15.75: STC1.10 pad.16@1355.98,1536.43
  Bottom Layer w15.75: JP6.5 810,2124 1355.98,1578.02 pad.16@1355.98,1536.43
P3.5: JP6.7 STC1.11 | length 1239.5
  Top Layer w15.75: JP6.7 1436,1957 1436,1903 1387.48,1854.48 STC1.11
PWM0: pad.16@971.99,1699.98 R11.1 R13.1 R18.1 STC1.39 | length 2789
  Top Layer w15.75: pad.16@971.99,1699.98 STC1.39 ; R11.1 v1@2096.49,820.4 ; R13.1 v1@2431.49,820.4 ; v1(2517,885) 2693,885 2763.6,814.4 2763.6,787.9 R18.1
  Bottom Layer w15.75: pad.16@971.99,1699.98 865,1592.99 865,1195 995,1065 1851.89,1065 2096.49,820.4 2452.4,820.4 v1(2517,885)
  other v1: 2097,821 2431,821
RST: C3.1 R8.2 STC1.4 SW1.1 SW1.4 | length 1125.6
  Top Layer w15.75: SW1.4 921.14,1196.14 1167.01,1442.01 STC1.4
  Top Layer w39.37: R8.2 869.06,936.5 SW1.4 SW1.1 1247.44,930 C3.1
SCK: STC1.3 U1.5 | length 709.1
  Top Layer w15.75: U1.5 660,1034 1052,1426 1101.7,1426 1135.51,1459.81 STC1.3
VIN: E1.1 IC1.1 JP1.2 JP5.1 pad.17 R9.2 VD2.2 VD3.2 VD4.2 | length 2515.3
  Top Layer w15.75: pad.17 R9.2
  Top Layer w50: v2@2829.14,2083.86 IC1.1
  Top Layer w80: VD3.2@2556.69,690.83 VD3.2
  Bottom Layer w30: pad.17 3097.43,26 3425.2,26 ccw(c3425.2,118.11) 3517.31,118.11 3517.31,566.69 v1(3490,594)
  Bottom Layer w50: v1(2443,1003) 2443,1869 2657.72,2083.72 v2@2829,2083.72
  other v1: 3010,594 3070,594 3130,594 3190,594 3250,594 3310,594 3370,594 3430,594 3010,654 3070,654 3130,654 3190,654 3250,654 3310,654 3370,654 3430,654 3490,654 3010,714 3250,714 3310,714 3370,714 3430,714 3490,714 3060,715 3207,719 3010,774 3070,774 3190,774 3250,774 3310,774 3370,774 3430,774 3490,774 3130,790 3010,834 3070,834 3130,834 3190,834 3250,834 3310,834 3370,834 3430,834 3490,834 3010,894 3070,894 3190,894 3250,894 3310,894 3370,894 3430,894 3490,894 3130,910 3010,954 3070,954 3130,954 3190,954 3250,954 3310,954 3370,954 3430,954 3490,954 3070,1014 3130,1014 3190,1014 3250,1014 3310,1014 3370,1014 3430,1014 3490,1014 3070,1074 3130,1074 3190,1074 3250,1074 3310,1074 3370,1074 3430,1074 3490,1074 3070,1134 3130,1134 3190,1134 3250,1134 3310,1134 3370,1134 3430,1134 3490,1134 3070,1194 3130,1194 3190,1194 3250,1194 3310,1194 3370,1194 3430,1194 3490,1194 3070,1254 3130,1254 3190,1254 3250,1254 3310,1254 3370,1254 3430,1254 3490,1254 3070,1314 3130,1314 3190,1314 3250,1314 3310,1314 3370,1314 3430,1314 3490,1314 3070,1374 3130,1374 3190,1374 3250,1374 3430,1374 3490,1374 3070,1434 3130,1434 3190,1434 3250,1434 3430,1434 3490,1434 3070,1494 3130,1494 3190,1494 3250,1494 3310,1494 3370,1494 3430,1494 3490,1494
  other v2: 2825,2084
pads on no net: IC2.9 IC2.10 IC2.11 IC2.12 IC2.13 IC2.14 IC2.15 Q2.9 Q3.9 Q4.9 STC1.1 STC1.6 STC1.12 STC1.13 STC1.17 STC1.26 STC1.27 STC1.28 STC1.29 U1.8 USB1.4

## Polygon pours and split planes (outlines as drawn)
GND on Top Layer "NONET_L-01_P-001" (hatched 90Degree grid 20 track 8, remove dead copper, pour order 27): 3520,1550 3520,2558 3419,2659 126,2659 20,2553 20,95 96,19 1742,19 1863,140 1863,1104.53 1863.47,1105 2459,1105 2542,1188 2542,1452 2640,1550
VIN on Top Layer "NONET_L-01_P-001" (solid, pour order 31): 2358.65,949.48 2502,947 2499.72,868.54 2603,757 2603,639 2516,639 2516,735 2470,781 2458,815 2398.6,895.4
VIN on Top Layer "NONET_L-01_P-001" (solid, pour order 14): 3519,576 3519,1488 3473,1534 2714,1534 2640,1460 2640,1275 2714,1201 3017,1201 3021,1197 3021,1071 2982,1032 2182,1032 2182,639 2267,639 2268,639 2268,878 2303,913 2482,913 2627,913 2848,913 2848,621 2893,576
H- on Top Layer "NONET_L-01_P-001" (solid, pour order 19): 3288,77 3291,74 3291,71 3303,59 3304,59 3307,56 3336,56 3336,57 3355,76 3355,203 3290,203 3288,201
H- on Top Layer "NONET_L-01_P-001" (solid, pour order 12): 2006,552 3486,552 3486,193 2051,193 2006,238
GND on Top Layer "NONET_L-01_P-001" (solid, pour order 7): 2730,560 2816,560 2816,715 2730,715
GND on Top Layer "NONET_L-01_P-001" (solid, pour order 6): 2392,559 2482,559 2482,720 2392,720
GND on Top Layer "NONET_L-01_P-001" (solid, pour order 5): 2060,558 2148,558 2148,720 2060,720
GND on Bottom Layer "NONET_L-01_P-001" (solid, pour order 3): 2640,1550 2640,1840 3520,1840 3520,1550
GND on Bottom Layer "NONET_L-01_P-001" (hatched 90Degree grid 20 track 8, remove dead copper, pour order 32): 3520,1550 3520,2558 3419,2659 126,2659 20,2553 20,95 96,19 1742,19 1863,140 1863,1104.53 1863.47,1105 2459,1105 2542,1188 2542,1452 2640,1550
GND on Bottom Layer "NONET_L-01_P-001" (solid, pour order 30): 2993,1842 2993,582 2057,582 2057,728 2539,728 2539,1842
GND on Bottom Layer "NONET_L-01_P-001" (solid, pour order 25): 2638,1550 2638,1840 3518,1840 3518,1550
VIN on Bottom Layer "NONET_L-01_P-001" (solid, pour order 21): 3021,576 3518,576 3518,1535 3021,1535 3021,1197 3021,1071
H- on Bottom Layer "NONET_L-01_P-001" (solid, pour order 17): 2051,193 2006,238 2005,238 2005,551 2007,553 3486,553 3486,552 3492,546 3492,193
no net on Top Solder "NONET_L-01_P-001" (solid): 3485,193 3485,552 3025,552 3024,551 3024,437 3025,436 2006,436 2006,238 2051,193

## Keep-outs
Keep-Out Layer:
  the board outline again, w10

## Silkscreen, mask and mechanical layers (free items; w line width, h text height)
Top Solder:
  rectangle: 3025,1550 3519,1722
  rectangle: 2060,558 2149,724
  rectangle: 2730,560 2816,715
  rectangle: 2392,559 2482,720
  rectangle: 3024,576 3518,1535

## Text inside footprints (layer, text, board x,y; h text height)
JP3: Bottom Overlay "LCD1602" at 2003.96,1819.43 h60
JP6: Top Overlay "10" at 1070,2563 h40; Top Overlay "9" at 1070,2463 h40; Top Overlay "1" at 530,2463 h40; Top Overlay "2" at 520,2563 h40